# KiCad board corne-cherry.kicad_pcb (continued)
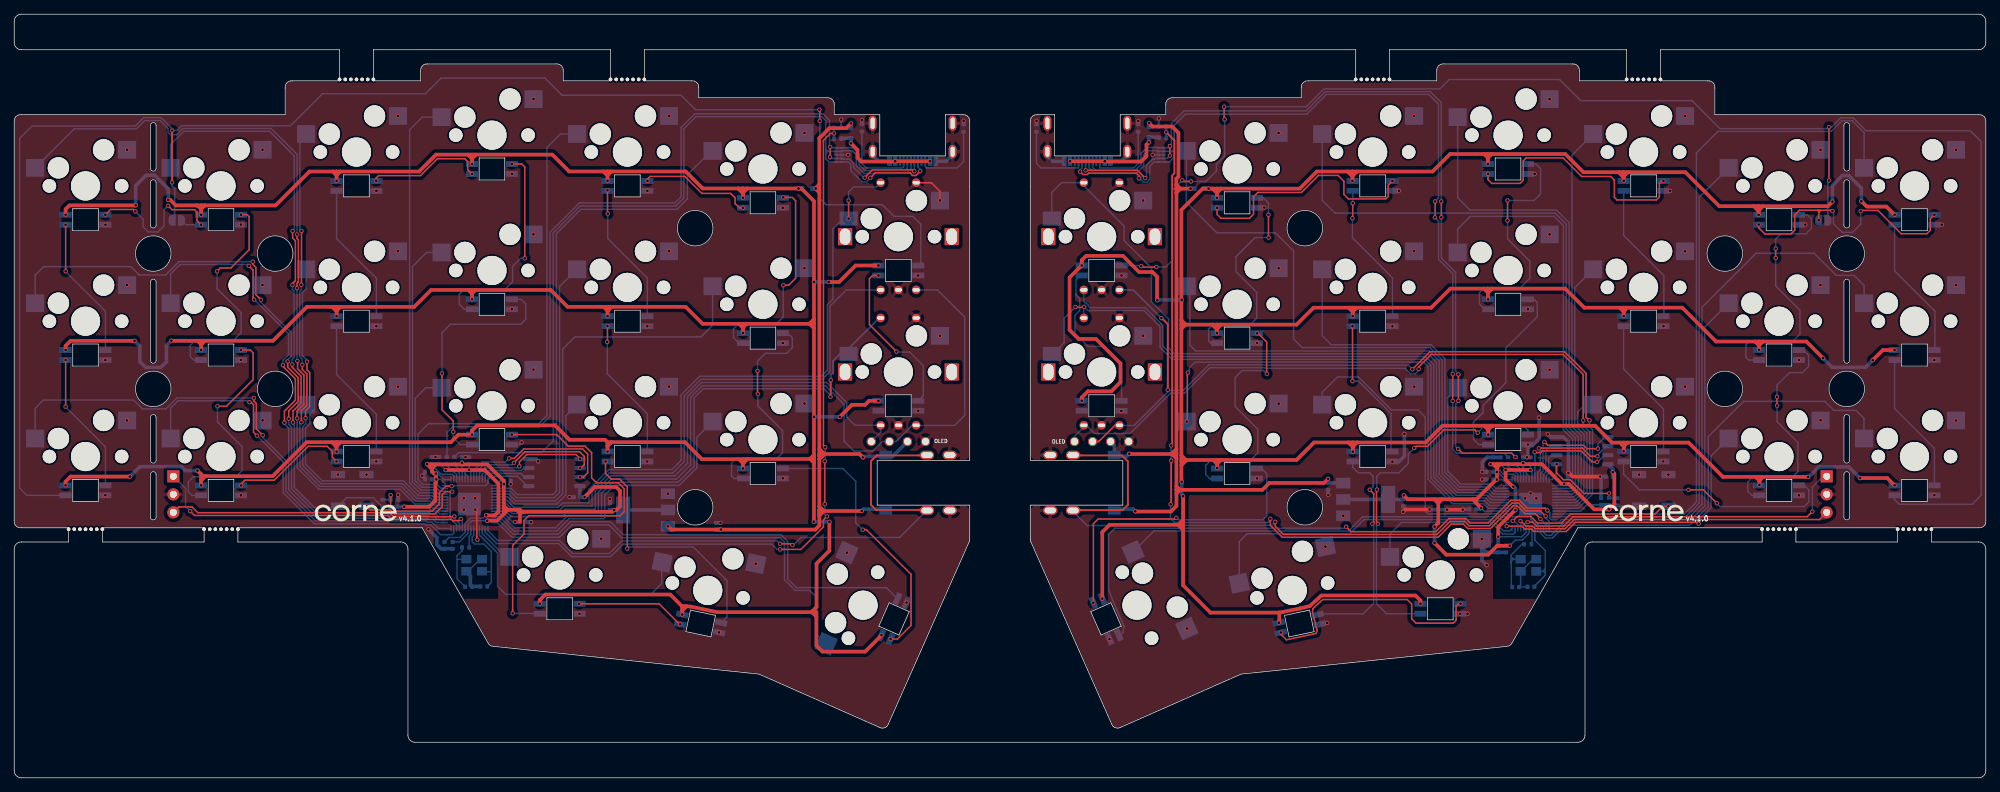
[diagram p0: board, top side]
## Routing (per net, layer and track width the routed paths; a pad name or vN(x,y) marks a point on that pad's centre or on a via; arc(x,y) is an arc through that point) (continued)
/right/D+: length 133.7
  Top w0.203: v1(203.07,53.07) 203.07,56.78 v1(203.07,56.78) ; v1(203.03,46.3) 203.62,45.71 210.54,45.71 v1(211.09,45.15) ; v1(200.65,81.14) 200.67,81.12 v1(200.67,78.89) ; v1(159.02,84.42) 157.93,85.51 150.65,85.51 v1(150.65,85.52) ; v1(162.51,87.6) 162.51,88.93 v1(162.51,88.93)
  Bottom w0.203: 160.84,88.73 159.28,88.73 158.43,87.88 158.43,86.31 157.58,85.46 152.1,85.46 151.65,85.91 rJ1.B6 ; v1(203.07,53.07) 203.07,53 202.69,52.62 202.69,46.63 v1(203.03,46.3) ; v1(200.67,78.89) 200.67,73.16 202.67,71.16 202.67,57.28 203.07,56.88 v1(203.07,56.78) ; v1(150.65,85.52) rJ1.A6 ; v1(162.51,87.6) 162.1,87.19 rU3.4 rU3.7 160.42,87.19 160.31,87.08 160.07,87.08 159.21,86.23 159.21,84.62 v1(159.02,84.42) ; rU3.10 rU3.1 162.26,88.69 v1(162.51,88.93) 162.7,89.13 162.7,92.09 164.5,93.88 181.65,93.88 184.35,96.58 199.12,96.58 200.66,95.05 200.66,81.15 v1(200.65,81.14)
/right/D-: length 138
  Top w0.203: v1(199.76,78.88) 199.8,78.92 v1(199.8,81.14) ; v1(158.15,84.38) 158.15,84.74 157.76,85.12 151.09,85.12 150.9,84.93 150.28,84.93 v1(149.87,85.33) ; v1(202.28,56.83) 202.27,56.82 v1(202.27,53.03)
  Bottom w0.203: 163.1,87.35 163.1,87.84 163.1,87.97 ; 163.1,87.35 162.43,86.69 rU3.5 rU3.6 160.3,86.69 159.67,86.06 159.67,84.24 159.26,83.83 158.77,83.83 158.43,84.18 158.43,84.66 v1(158.15,84.38) ; 163.1,87.35 163.1,88.11 163.02,88.19 162.85,88.19 ; 163.1,87.97 162.88,88.19 162.85,88.19 ; 163.1,87.97 163.1,88.46 ; v1(202.28,56.83) 202.28,70.98 200.28,72.98 200.28,78.37 v1(199.76,78.88) ; rR5.2 209.49,45.71 202.78,45.71 202.27,46.22 v1(202.27,53.03) ; 163.1,88.46 163.1,91.85 164.68,93.42 181.75,93.42 184.51,96.19 198.91,96.19 200.27,94.83 200.27,81.6 v1(199.8,81.14) ; 163.1,88.46 162.85,88.22 162.85,88.19 ; 162.85,88.19 rU3.2 rU3.9 160.78,88.29 159.39,88.29 158.82,87.72 158.82,86.14 157.74,85.07 151.94,85.07 151.15,85.85 rJ1.A7 ; v1(149.87,85.33) 149.87,85.58 150.15,85.86 rJ1.B7
/right/KEY1: length 54.7
  Bottom w0.203: rSW1.1 160.26,34.74 187.63,34.74 189.63,36.74 208.54,36.74 208.94,36.34 rU1.30
/right/KEY2: length 70.4
  Top w0.203: v1(165.04,57.04) 164.96,56.96 164.96,50.23 v1(164.87,50.14)
  Bottom w0.203: rU1.34 207.25,37.94 206.61,38.59 202.24,38.59 198.81,42.03 198.81,57.85 198.14,58.51 166.04,58.51 165.24,57.72 165.24,57.24 v1(165.04,57.04)
/right/KEY3: length 70.5
  Bottom w0.203: 165.32,68.74 165.32,60.89 166.12,60.08 198.97,60.08 200.38,58.68 200.38,42.7 202.92,40.16 207.26,40.16 207.88,39.54 rU1.38
/right/KEY4: length 85.9
  Bottom w0.203: 164.87,88.24 164.82,88.2 164.82,83.87 164.81,83.86 164.81,81.01 169.11,76.72 177.34,76.72 179.9,74.16 179.9,61.77 181.11,60.56 199.05,60.56 200.77,58.84 200.77,42.87 203.08,40.55 207.42,40.55 208.03,39.94 rU1.39
/right/KEY5: length 85.7
  Bottom w0.203: rU1.3 218.99,40.34 219.52,40.87 219.52,41.77 219.51,41.78 219.51,47.83 218.23,49.12 218.23,77.94 216.68,79.49 185.74,79.49 183.92,81.31 rSW5.1
/right/KEY6: length 53.6
  Bottom w0.203: rSW6.1 183.92,62.22 185.19,60.95 199.22,60.95 201.16,59.01 201.16,43.03 203.25,40.95 207.58,40.95 208.19,40.34 rU1.40
/right/KEY7: length 44.4
  Bottom w0.203: rU1.31 209.11,36.74 208.69,37.15 198.8,37.15 198.41,37.55 198.41,50.76 197.39,51.78 193.65,51.78 189,56.43 186.08,56.43 183.92,54.27 rSW7.1
/right/KEY8: length 46.3
  Bottom w0.203: rU1.28 210.28,34.76 209.4,34.76 207.81,36.35 189.79,36.35 187.79,34.35 173.36,34.35 172.25,33.25 rSW8.1
/right/KEY9: length 22.8
  Bottom w0.203: rU1.27 211.02,34.51 210.84,34.32 209.28,34.32 207.65,35.95 195.09,35.95 193.44,34.31 rSW9.1
/right/KEY10: length 21.5
  Bottom w0.203: rU1.41 208.35,40.74 207.75,41.34 203.41,41.34 201.56,43.19 201.56,53.5 rSW10.1
/right/KEY11: length 59.3
  Bottom w0.203: rU1.2 218.84,40.74 219.13,41.03 219.13,41.04 219.13,41.61 219.12,41.62 219.12,47.67 217.83,48.96 217.83,77.72 216.52,79.04 204.74,79.04 202.97,77.26 rSW11.1
/right/KEY12: length 70
  Bottom w0.203: rU1.4 219.15,39.94 219.92,40.72 219.92,42.97 219.91,42.98 219.91,47.99 218.64,49.26 218.64,78.14 216.86,79.92 204.7,79.92 202.97,81.65 rSW12.1
/right/KEY13: length 55.9
  Bottom w0.203: rU1.5 219.3,39.54 220.32,40.55 220.32,48.17 219.03,49.45 219.03,87.64 rSW13.1
/right/KEY14: length 37.4
  Bottom w0.203: rU1.6 219.46,39.14 220.71,40.39 220.71,43.3 220.75,43.33 220.75,48.31 219.43,49.63 219.43,68.99 rSW14.1
/right/KEY15: length 19.5
  Bottom w0.203: rSW15.1 220.86,52.53 219.86,51.52 219.86,49.8 221.14,48.52 221.14,40.26 219.62,38.74 rU1.7
/right/KEY16: length 42.2
  Top w0.203: v1(209.86,35.42) 212,35.42 212.4,35.03 213.34,35.03 213.7,34.67 218.24,34.67 219.53,35.96 236.66,35.96 v1(236.86,35.76)
  Bottom w0.203: v1(236.86,35.76) 236.86,36.27 238.6,38.01 238.6,45.3 rSW16.1 ; v1(209.86,35.42) 209.78,35.49 rU1.29
/right/KEY17: length 55
  Bottom w0.203: rU1.17 215.02,34.58 215.46,34.14 216.13,34.14 217.94,35.95 235.39,35.95 237.71,38.28 237.71,63.46 rSW17.1
/right/KEY18: length 70
  Bottom w0.203: rU1.12 216.66,36.74 234.99,36.74 236.93,38.67 236.93,81.73 rSW18.1
/right/KEY19: length 102.3
  Bottom w0.203: rU1.11 216.66,37.13 234.83,37.13 236.54,38.84 236.54,87.97 239.55,90.98 255.47,90.98 257,92.51 258.42,92.51 260.12,90.81 rSW19.1 259.08,84.83
/right/KEY20: length 79.8
  Bottom w0.203: rU1.14 217.18,35.94 217.58,36.35 235.16,36.35 237.32,38.51 237.32,66.24 244.93,73.84 253.07,73.84 256.19,70.73 258.7,70.73 260.12,69.31 rSW20.1
/right/KEY21: length 64
  Bottom w0.203: rU1.18 214.62,34.43 215.29,33.75 216.29,33.75 218.1,35.56 235.59,35.56 238.21,38.18 238.21,48.04 243.16,52.99 254.6,52.99 255.89,51.71 259,51.71 260.09,50.61 260.09,47.76
/right/KEYEX1: length 102.6
  Bottom w0.203: rU1.37 207.72,39.14 207.09,39.77 202.76,39.77 199.98,42.54 199.98,58.48 198.77,59.69 163.14,59.69 162.32,60.51 162.32,64.61 159.91,67.02 159.91,71.78 156.05,75.64 156.05,77.69 150.4,83.34 rEXSW1.S2 147.27,83.78 145.9,82.4 rEXSW1.S2
/right/KEYEX2: length 92.8
  Top w0.203: v1(149.22,66.27) 149.26,66.23 150.39,66.23 v1(150.45,66.29)
  Bottom w0.203: rEXSW2.S2 146.05,59.67 147.63,61.25 147.63,64.68 v1(149.22,66.27) ; rU1.35 207.41,38.34 206.77,38.98 202.41,38.98 199.2,42.19 199.2,58.01 198.31,58.91 162.81,58.91 161.11,60.6 161.11,63.52 158.86,65.77 150.97,65.77 v1(150.45,66.29) 150.4,66.25 rEXSW2.S2
/right/LED: length 82.4
  Top w0.203: v1(215.59,37.63) 215.26,37.96 212.77,37.96 211.67,39.07 210.44,39.07 207.25,35.88 204.72,35.88 204.11,36.49 201.73,36.49 199.89,34.65 187.97,34.65 v1(187.28,35.34)
  Bottom w0.203: v1(187.28,35.34) 187.08,35.14 154.77,35.14 153.89,34.26 153.89,26.45 154.56,24.76 155.3,23.02 156.06,21.33 155.88,20.46 155.51,20.09 rLED1.4 ; v1(215.59,37.63) 215.93,37.29 215.93,36.55 216.14,36.34 rU1.13
/right/QSPI_SCLK: length 15.3
  Top w0.203: v1(214.38,46.37) 214.42,46.41 220.5,46.41 221.65,45.26 v1(222.61,45.26)
  Bottom w0.203: v1(214.38,46.37) 214.58,46.18 214.58,43.32 214.23,42.97 214.23,41.98 rU1.52 ; v1(222.61,45.26) 222.61,45.43 223.87,46.68
/right/QSPI_SD0: length 15.4
  Top w0.203: v1(222.69,46.34) 221.13,46.34 220.66,46.81 215.64,46.81 v1(215.17,47.28)
  Bottom w0.203: v1(215.17,47.28) 214.97,47.07 214.97,43.16 214.62,42.81 rU1.53 ; v1(222.69,46.34) 222.69,47 223.64,47.95
/right/QSPI_SD1: length 4.5
  Bottom w0.203: rU1.55 215.42,42.5 215.76,42.83 215.76,44.99 216.17,45.41 rU4.2
/right/QSPI_SD2: length 6
  Bottom w0.203: rU4.3 215.97,46.68 215.36,46.07 215.36,43 215.02,42.65 rU1.54
/right/QSPI_SD3: length 14.8
  Top w0.203: v1(213.79,45.84) 213.85,45.78 214.62,45.78 214.86,46.02 220.33,46.02 221.88,44.47 v1(222.58,44.47)
  Bottom w0.203: 223.6,45.41 222.66,44.47 v1(222.58,44.47) ; rU1.51 213.82,45.81 v1(213.79,45.84)
/right/QSPI_SS: length 14.9
  Top w0.203: v1(216.89,44.14) 216.89,42.91 217.84,41.96 218.8,41.96 220.72,40.03 v1(224.26,40.03)
  Bottom w0.203: rU1.56 216.21,41.98 216.76,42.52 216.76,44.01 ; rR7.1 224.26,39.41 v1(224.26,40.03) 224.25,40.02 rR7.1 ; rR7.1 224.28,39.37 rR6.1
/right/RE0A: length 83.8
  Bottom w0.203: rU1.36 207.57,38.74 206.93,39.38 202.57,39.38 199.59,42.35 199.59,58.18 198.47,59.3 162.98,59.3 161.51,60.77 161.51,63.68 159.02,66.17 151.28,66.17 151.04,66.41 151.04,66.54 150.69,66.89 150.56,66.89 150.4,67.05 rEXSW1.A
/right/RE1A: length 102.4
  Top w0.203: v1(197.48,57.55) 197.48,57.83 199.23,59.59 217.82,59.59 220.62,56.8 v1(220.62,50.31)
  Bottom w0.203: rU1.8 219.77,38.34 221.53,40.1 221.53,48.71 220.62,49.63 v1(220.62,50.31) ; 150.73,49.63 151.89,48.47 156.91,48.47 162.59,54.15 164.56,54.15 168.14,57.73 175.84,57.73 175.91,57.65 195.54,57.65 196.34,56.85 197,56.85 197.48,57.33 v1(197.48,57.55) ; 149.09,47.6 149.09,48.07 150.4,49.38 rEXSW2.A
/right/REB: length 117.8
  Top w0.203: v1(196.6,57.51) 199.07,59.98 217.98,59.98 221.01,56.96 221.01,50.77 221.47,50.31 v1(221.5,50.31) ; 155.01,49.63 154.79,49.63 152.49,47.33 rJ3.2
  Top w0.25: v1(161.31,64.72) 161.35,64.72 162.21,63.86 162.21,54.6 v1(162.2,54.6)
  Bottom w0.203: rU1.9 219.94,37.94 221.93,39.92 221.93,49.02 221.5,49.45 v1(221.5,50.31) ; v1(196.6,57.51) 196.04,58.08 176.04,58.08 176,58.12 167.97,58.12 164.4,54.55 162.26,54.55 v1(162.2,54.6) 162.2,54.32 157.47,49.59 155.44,49.59 rEXSW2.B
  Bottom w0.25: rEXSW1.B 157.35,68.68 v1(161.31,64.72)
/right/SWCLK: length 49.1
  Top w0.203: v1(252.85,37.48) 252.13,36.76 230.9,36.76 230.89,36.75 219.2,36.75 217.91,35.46 214.02,35.46 213.47,36.01 v1(212.81,36.01)
  Bottom w0.203: 255.43,42.38 255.37,42.44 254.35,42.44 252.85,40.94 v1(252.85,37.48) ; v1(212.81,36.01) 212.61,36.01 212.22,35.62 rU1.24
/right/SWD: length 46.1
  Top w0.203: v1(211.79,36.16) 211.82,36.16 212.56,35.42 213.5,35.42 213.86,35.06 218.07,35.06 219.36,36.35 253.85,36.35 rJ4.3 255.37,37.36 255.43,37.3
  Bottom w0.203: v1(211.79,36.16) 211.82,36.13 rU1.25
/right/TX: length 95.8
  Top w0.203: v1(177.31,36.03) 177.31,35.42 178.47,34.25 200.05,34.25 201.89,36.1 203.94,36.1 204.56,35.48 207.41,35.48 210.6,38.67 211.5,38.67 212.61,37.57 214.6,37.57 v1(215.34,36.83)
  Top w0.25: 148.88,45.38 155.75,45.38 156.59,44.55 156.59,38.4 155.87,37.68 148.88,37.68
  Bottom w0.203: v1(177.31,36.03) 176.81,35.53 153.82,35.53 153.8,35.51 150.85,35.51 148.88,37.48 ; rU1.15 215.82,36.1 215.34,36.58 v1(215.34,36.83)
/right/USB_VBUS_PIN: length 115.7
  Top w0.203: v1(176.63,36.46) 176.63,35.54 178.31,33.86 200.21,33.86 202.05,35.7 203.78,35.7 204.4,35.09 207.57,35.09 210.76,38.28 211.34,38.28 212.45,37.17 213.88,37.17 v1(214.6,36.45)
  Top w0.25: v1(162.61,38.5) 162.68,38.58 v1(162.68,44.64) ; v1(162.68,46.79) 162.71,46.82 162.83,46.82 162.83,84.79 163.14,85.1 163.14,89.73 v1(161.99,90.88)
  Bottom w0.203: v1(176.63,36.46) 176.63,36.32 176.23,35.93 163.19,35.93 162.6,36.52 162.6,38.49 v1(162.61,38.5) ; v1(214.6,36.45) 214.6,36.44 215.42,35.62 rU1.16
  Bottom w0.25: rR9.1 161.99,91.65 rR8.2 ; v1(162.68,46.79) v1(162.68,44.64)
Net-(C2-Pad1): length 7.6
  Bottom w0.203: R3.1 62.97,31.96 62.28,31.27 62.28,30.78 ; C2.1 62.28,28.01 62.28,30.78 ; 62.28,30.78 62.29,30.77 Y1.3
Net-(D1-K): length 536.4
  Top w0.203: 7.22,41.17 v1(7.23,41.16) ; 112.8,18.62 112.8,23.04 112.82,23.06 ; 102.49,44.87 102.47,44.85 ; 83.42,45.92 v1(83.43,45.92) ; 64.38,87.72 64.39,87.72 ; 92.25,25.79 93.86,24.18 ; 45.32,45.92 v1(45.33,45.92) ; 26.29,60.21 26.28,60.21 v1(26.28,60.21) ; 121.96,20.07 v1(121.96,20.09) ; 112.46,36.04 v1(112.43,36.04)
  Top w0.508: 26.28,42.74 26.28,41.92 ; 26.28,42.74 26.55,42.46 26.88,42.46 ; 26.28,42.74 v1(25.77,43.25) ; 26.28,41.92 26.34,41.92 26.88,42.46 ; 26.28,41.92 v1(26.28,41.16) ; 84,47.24 83.42,47.24 ; 84,47.24 94.3,47.24 96.69,44.85 101.89,44.85 ; 84,47.24 83.42,46.66 83.42,46.62 ; 83.42,47.24 83.42,46.62 ; 83.42,47.24 83.07,47.58 78.07,47.58 76.04,49.61 65.1,49.61 64.38,48.89 v1(64.38,48.3) 62.47,48.3 61.4,47.23 45.89,47.23 ; 26.88,42.46 36.33,42.46 41.1,47.23 44.68,47.23 ; 7.22,41.17 7.22,41.69 7.93,42.4 v1(16.28,42.4) ; 45.33,66.29 44.71,66.29 ; 45.33,66.29 45.87,66.29 ; 45.33,66.29 45.33,65.77 ; 44.71,66.29 41.15,66.29 36.38,61.52 26.82,61.52 ; 44.71,66.29 45.23,65.77 45.33,65.77 ; 64.88,68.67 75.43,68.67 77.8,66.3 82.87,66.3 ; 64.88,68.67 64.38,68.17 ; 64.88,68.67 63.84,68.67 ; 83.43,85.35 82.84,85.35 ; 83.43,85.35 83.96,85.35 ; 83.43,85.35 83.43,84.87 ; 82.84,85.35 78.03,85.35 75.66,87.72 64.92,87.72 ; 82.84,85.35 83.32,84.87 83.43,84.87 ; 112.22,23.31 112.22,23.43 112.82,24.02 112.82,30.15 114.63,31.96 v1(114.63,36.03) ; 112.22,23.31 112.22,23.26 112.8,22.68 ; 112.22,23.31 98.84,23.31 95.11,24.1 94.53,24.14 ; 112.22,23.31 112.8,23.31 112.8,18.62 113.65,17.76 119.65,17.76 121.96,20.07 ; v1(121.53,72.12) 118.31,72.12 115.99,69.8 v1(114.52,69.8) ; 84.01,66.3 83.46,65.75 83.43,65.75 ; 84.01,66.3 94.4,66.3 96.79,63.91 101.91,63.91 ; 84.01,66.3 83.43,66.3 ; v1(64.38,67.35) 64.38,68.17 ; v1(73.9,24.49) 73.9,25.02 74.67,25.79 92.25,25.79 93.93,24.11 93.93,23.56 ; 101.78,82.96 102.36,82.38 102.48,82.38 ; 101.78,82.96 96.81,82.96 94.42,85.35 83.96,85.35 ; 101.78,82.96 102.48,82.96 ; 83.42,46.62 83.42,45.92 ; 26.29,61.52 25.76,61.52 ; 26.29,61.52 26.82,61.52 ; 26.29,61.52 26.29,60.99 ; 25.76,61.52 v1(22.1,61.52) ; 25.76,61.52 26.29,61 ; 102.48,82.38 102.5,82.38 103.08,82.96 ; 102.48,82.38 v1(102.48,81.64) ; 102.48,82.38 102.48,82.96 ; 64.38,68.17 64.35,68.17 63.84,68.67 ; 102.47,44.29 102.53,44.29 103.11,44.87 ; 102.47,44.29 102.45,44.29 101.89,44.85 ; 102.47,44.29 102.47,44.85 101.89,44.85 ; 102.47,44.29 102.47,43.53 ; 83.96,85.35 83.48,84.87 83.43,84.87 ; 63.78,87.72 64.92,87.72 ; 63.78,87.72 59.31,87.72 56.93,85.34 45.85,85.34 ; 63.78,87.72 64.31,87.19 64.38,87.19 ; 26.29,61 26.3,61 26.82,61.52 ; 26.29,61 26.29,60.99 ; 112.46,64.55 v1(112.46,69.8) 112.46,81.18 110.67,82.96 v1(110.29,82.96) 103.08,82.96 ; 112.46,64.55 111.88,63.98 ; 112.46,64.55 112.46,63.91 ; 25.59,80.57 22.72,80.57 21.96,81.34 v1(21.67,81.34) ; 25.59,80.57 26.29,80.57 ; 25.59,80.57 25.78,80.57 26.29,80.06 ; 82.87,66.3 83.43,65.75 ; 82.87,66.3 83.43,66.3 ; 83.43,66.3 83.43,65.73 ; 83.43,65.73 83.43,65.75 ; 83.43,65.73 v1(83.43,64.97) ; 112.46,63.28 111.88,63.86 111.88,63.98 ; 112.46,63.28 112.46,45.44 ; 112.46,63.28 112.46,63.91 ; 26.79,80.57 26.29,80.07 26.29,80.06 ; 26.79,80.57 36.74,80.57 41.51,85.34 44.8,85.34 ; 26.79,80.57 26.29,80.57 ; 101.91,63.91 102.48,63.91 ; 101.91,63.91 102.42,63.41 102.48,63.41 ; 102.48,63.41 102.98,63.91 ; 102.48,63.41 102.48,63.38 ; 102.98,63.91 102.48,63.91 ; 102.98,63.91 111.88,63.91 ; 102.48,63.91 102.48,63.38 ; v1(102.48,62.59) 102.48,63.38 ; 45.87,66.29 45.35,65.77 45.33,65.77 ; 45.87,66.29 56.24,66.29 58.62,68.67 63.84,68.67 ; 94.53,24.14 93.86,24.18 ; 94.53,24.14 93.95,23.56 93.93,23.56 ; 64.92,87.72 64.39,87.19 64.38,87.19 ; 64.38,87.19 v1(64.38,86.4) ; 64.38,87.19 64.38,87.72 ; 93.93,23.56 v1(93.93,22.98) ; v1(121.53,53.07) 120.2,53.07 119.64,52.5 117.79,52.5 v1(116.08,50.8) ; 26.29,60.21 26.29,60.99 ; 45.32,46.65 45.32,46.66 45.89,47.23 ; 45.32,46.65 45.32,45.92 ; 45.32,46.65 45.26,46.65 44.68,47.23 ; 45.32,46.65 45.32,47.23 ; v1(26.29,79.26) 26.29,80.06 ; 26.29,80.06 26.29,80.57 ; 112.46,45.44 111.96,44.95 111.96,44.87 ; 112.46,45.44 112.46,44.87 ; 103.08,82.96 102.48,82.96 ; 45.89,47.23 45.32,47.23 ; 45.32,47.23 44.68,47.23 ; 111.88,63.98 111.88,63.91 ; 83.43,84.87 v1(83.43,84.04) ; v1(45.33,84.02) 45.33,84.84 ; 45.33,84.84 45.3,84.84 44.8,85.34 ; 45.33,84.84 45.35,84.84 45.85,85.34 ; 45.33,84.84 45.33,85.34 ; v1(7.23,60.21) 7.23,60.81 7.92,61.51 v1(16.93,61.51) ; 111.88,63.91 112.46,63.91 ; 45.33,85.34 44.8,85.34 ; 45.33,85.34 45.85,85.34 ; v1(45.33,64.97) 45.33,65.77 ; 111.96,44.87 111.96,44.85 112.46,44.35 ; 111.96,44.87 112.46,44.87 ; 111.96,44.87 103.11,44.87 ; 103.11,44.87 102.49,44.87 ; 112.46,44.87 112.46,44.35 ; 112.46,44.35 112.46,36.04 ; v1(17.07,80.59) 17.05,80.57 7.76,80.57 7.23,80.04 v1(7.23,79.26)
  Bottom w0.203: 114.62,36.04 v1(114.63,36.03)
  Bottom w0.508: v1(21.67,81.34) 21.67,82.89 19.74,84.82 18.55,84.82 17.07,83.34 v1(17.07,80.59) ; v1(112.43,36.04) 114.62,36.04 ; v1(22.1,61.52) 21.41,60.83 21.41,58.56 20.62,57.77 18.49,57.77 17.66,58.6 17.66,60.78 v1(16.93,61.51) ; D1.1 110.79,82.96 v1(110.29,82.96) ; v1(16.28,42.4) 17.68,43.81 23.49,43.81 24.05,43.25 v1(25.77,43.25) ; v1(112.46,50.81) 116.07,50.81 v1(116.08,50.8) ; v1(114.52,69.8) v1(112.46,69.8)
  vias: v1(102.48,43.54)
Net-(EXLED1-DIN): length 222.7
  Top w0.203: v1(113.27,92.46) 113.27,94.01 v1(113.22,94.06)
  Top w0.25: v1(22.21,91.13) 22.2,91.11 v1(22.2,83.81)
  Bottom w0.203: EXLED1.4 127.48,72.47 127.48,77.92 126.36,79.03 123.71,79.03 122.07,80.67 114.18,80.67 113.28,81.58 113.28,92.45 v1(113.27,92.46) ; v1(113.22,94.06) 95.8,94.06 93.77,96.09 77.02,96.09 74.61,98.5 60.03,98.5 57.83,96.3 43.36,96.3 38.83,91.78 36.31,91.78 36.28,91.8 23.53,91.8 22.86,91.13 v1(22.21,91.13) 22.21,91.38 20.66,92.94 18.21,92.94 17.02,91.75 2.49,91.75 0.77,90.03 0.77,40.78 1.78,39.76 LED21.2
  Bottom w0.25: 22.19,78.46 22.56,78.84 22.56,82.94 22.2,83.31 v1(22.2,83.81)
Net-(EXLED1-DOUT): length 23.1
  Top w0.203: v1(124.05,60) 120.25,63.8 120.25,70.27 120.7,70.71 v1(121.53,70.71)
  Bottom w0.203: v1(124.05,60) 124.13,59.92 125.91,59.92 127.83,58 127.83,53.77 EXLED2.4
Net-(J1-CC1): length 11.5
  Bottom w0.203: J1.A5 125.08,86.02 124.91,85.85 119.8,85.85 119.2,86.46 R1.2
Net-(J1-CC2): length 10.8
  Bottom w0.203: J1.B5 128.08,86.11 128.33,85.85 132.6,85.85 133.49,86.74 R2.2
Net-(JP1-A): length 23.4
  Top w0.203: v1(12.82,79.26) 13.55,80 16.76,80 v1(17.03,79.74) ; v1(21.65,80.53) 22.2,79.98 25.36,79.98 25.69,79.64 25.69,78.44 v1(26.28,77.86)
  Bottom w0.203: v1(21.65,80.53) 21.07,79.95 21.07,77.7 20.22,76.85 18.84,76.85 18.12,77.57 18.12,78.65 v1(17.03,79.74) ; v1(26.28,77.86) 24.11,77.86 JP1.1
Net-(LED1-DOUT): length 38.5
  Top w0.203: v1(119.31,34.92) 119.83,34.92 126.1,28.65 126.1,21.45 124.18,19.53 v1(123.22,19.53)
  Bottom w0.203: v1(119.31,34.92) 118.33,35.91 118.33,41.73 116.51,43.54 LED2.4
Net-(LED2-DOUT): length 34.4
  Top w0.203: v1(104.52,57.26) 104.52,54.04 v1(104.57,54.04)
  Bottom w0.203: v1(104.57,54.04) 104.57,52.34 108.04,48.87 108.04,45.76 107.16,44.88 101.4,44.88 100.87,44.35 100.87,42.45 101.18,42.14 LED2.2 ; v1(104.52,57.26) 104.52,58.65 105.62,59.75 108.62,59.75 109.4,60.53 109.4,61.96 108.77,62.59 LED3.4
Net-(LED3-DOUT): length 30.1
  Top w0.203: v1(108.13,81.7) 109.4,81.7 109.87,81.23 109.87,70.31 108.9,69.34 v1(108.16,69.34)
  Bottom w0.203: v1(108.13,81.7) 108.08,81.65 LED4.4 ; LED3.2 101.9,61.19 101.13,61.96 101.13,63.19 101.83,63.89 107.14,63.89 108.13,64.88 108.13,69.31 v1(108.16,69.34)
Net-(LED4-DOUT): length 16.2
  Top w0.203: v1(102.48,80.24) 101.95,80.24 101.37,80.82 101.37,81.62 100.73,82.27 96.69,82.27 94.3,84.66 89.4,84.66 89.05,84.3 v1(89.05,84.01)
Net-(LED5-DOUT): length 20.1
  Top w0.203: v1(83.43,82.7) 83.43,79.41 v1(83.46,79.41)
  Bottom w0.203: v1(83.46,79.41) 83.46,75.91 89.03,70.34 LED6.4
Net-(LED6-DOUT): length 20
  Top w0.203: v1(83.42,63.58) 83.42,61.37 v1(83.39,61.34)
  Bottom w0.203: v1(83.39,61.34) 83.39,56.88 89.03,51.24 LED7.4
Net-(LED7-DOUT): length 36.5
  Top w0.203: v1(83.15,44.52) 83.15,42.84 83.93,42.05 85.11,42.05 86.21,40.96 v1(86.21,32.28)
  Bottom w0.203: v1(86.21,32.28) 86.43,32.5 95.47,32.5 100.22,27.75 100.22,22.63 LED8.4
Net-(LED8-DOUT): length 15.4
  Top w0.203: v1(79.42,24.49) 90.68,24.49 93.56,21.61 v1(93.64,21.61)
Net-(LED10-DIN): length 56.4
  Top w0.203: v1(69.97,48.31) 76.27,48.31 77.9,46.68 80.27,46.68 81.19,45.77 81.19,42.22 81.89,41.51 84.95,41.51 85.76,40.7 85.76,37.47 85.18,36.88 72.35,36.88 71.68,36.21 71.68,34.31 70.09,32.72 v1(70.09,23.14)
  Bottom w0.203: v1(70.09,23.14) 73.9,23.14
Net-(LED10-DOUT): length 35.4
  Top w0.203: v1(60.15,56.92) 60.15,51.8 61.74,50.21 v1(61.74,48.7)
  Bottom w0.203: v1(60.15,56.92) 60.15,62.65 61.35,63.85 71.24,63.85 71.93,64.54 71.93,66.69 71.27,67.35 69.98,67.35 ; v1(61.74,48.7) 61.74,47.89 62.72,46.9 LED10.2
Net-(LED11-DOUT): length 30.9
  Top w0.203: v1(71.79,73.13) 71.79,85.99 71.38,86.4 v1(69.98,86.4)
  Bottom w0.203: v1(71.79,73.13) 71.21,73.13 70.07,71.99 70.07,69.82 68.94,68.69 63.2,68.69 62.59,68.08 62.59,66.63 63.27,65.95 LED11.2
Net-(LED12-DOUT): length 16.5
  Top w0.203: v1(50.91,84.04) 50.91,84.44 51.24,84.77 57.13,84.77 59.51,87.15 63.35,87.15 63.76,86.74 63.76,85.62 v1(64.38,85)
Net-(LED13-DOUT): length 20
  Bottom w0.203: LED13.2 45.33,75.91 50.93,70.31 LED14.4
Net-(LED14-DOUT): length 20
  Bottom w0.203: LED14.2 45.33,56.78 50.93,51.18 LED15.4
Net-(LED15-DOUT): length 17.2
  Top w0.203: v1(31.91,41.15) 31.91,41.38 32.42,41.89 36.56,41.89 41.33,46.66 44.01,46.66 44.73,45.94 44.73,45.12 v1(45.33,44.52)
Net-(LED16-DOUT): length 34.3
  Top w0.203: v1(28.58,52.3) 29.85,52.3 33.6,56.05 33.6,59.82 33.2,60.21 v1(31.88,60.21)
  Bottom w0.203: LED16.2 24.96,39.76 24.48,40.24 24.48,41.66 25.2,42.38 31.17,42.38 32.03,43.24 32.03,46.63 28.58,50.08 v1(28.58,52.3)
Net-(LED17-DOUT): length 32.9
  Top w0.203: v1(28.52,71.3) 28.98,71.76 30.47,71.76 33.03,74.32 33.03,79 32.77,79.26 v1(31.88,79.26)
  Bottom w0.203: v1(28.52,71.3) 28.52,68.85 31.9,65.47 31.9,62.66 30.72,61.48 25.37,61.48 24.76,60.87 24.76,59.28 25.23,58.81 LED17.2
Net-(LED19-DOUT): length 20
  Top w0.203: v1(7.23,71.3) 7.23,77.86 v1(7.23,77.86)
  Bottom w0.203: v1(7.23,71.3) 7.23,71.3 7.23,71.27 12.83,65.67 LED20.4
Net-(LED20-DOUT): length 20
  Top w0.203: v1(7.23,58.81) 7.23,58.81 v1(7.23,52.24)
  Bottom w0.203: LED21.4 12.83,46.6 7.23,52.2 7.23,52.24 v1(7.23,52.24)
Net-(R6-Pad2): length 7.3
  Bottom w0.203: SMDSW1.2 46.72,39.42 50.49,39.42 R6.2
Net-(rC2-Pad1): length 9.5
  Bottom w0.203: 210.81,30.77 210.81,30.78 ; 210.81,30.77 210.5,30.77 210.5,30.25 ; 210.81,30.77 211.81,30.77 ; 210.81,30.78 210.5,31.09 ; 210.81,30.78 210.79,30.78 210.5,30.48 ; rR3.1 212,32.87 210.5,31.36 210.5,31.09 ; 210.5,30.25 210.51,30.24 210.51,26.98 ; 210.5,30.25 210.5,30.48 ; 210.5,31.09 210.5,30.48
Net-(rD1-K): length 537.7
  Top w0.508: v1(169.12,81.62) 169.12,82.34 ; 169.12,82.34 169.12,82.94 ; 169.12,82.34 169.1,82.34 ; 188.8,85.34 188.2,84.74 188.18,84.74 ; 188.8,85.34 188.2,85.34 ; 188.8,85.34 199.44,85.34 201.9,87.8 206.68,87.8 ; 207.2,68.86 207.84,68.86 ; 207.2,68.86 207.24,68.82 207.24,68.24 ; 207.2,68.86 206.66,68.86 ; 207.84,68.86 218.08,68.86 220.77,66.18 225.76,66.18 ; 207.84,68.86 207.81,68.86 207.24,68.29 ; 169.15,44.75 169.68,44.75 ; 169.15,44.75 169.16,44.74 169.16,44.19 ; 169.15,44.75 168.58,44.75 ; 169.68,44.75 169.13,44.2 169.13,44.19 ; 169.68,44.75 180.31,44.75 182.77,47.2 187.61,47.2 ; 225.78,47.18 224.67,47.18 222.29,49.56 207.83,49.56 ; 225.78,47.18 226.34,47.18 ; 225.78,47.18 226.33,46.63 ; 164.36,36.29 v1(164.36,39.64) ; 164.36,36.29 164.36,35.63 ; 164.36,36.29 163.69,35.62 ; v1(226.31,64.97) 226.31,65.62 ; 226.31,65.62 226.31,65.64 226.84,66.18 ; 226.31,65.62 226.31,65.63 225.76,66.18 ; 226.31,65.62 226.31,66.18 ; 207.83,49.56 207.24,49.56 ; 207.83,49.56 207.33,49.06 207.27,49.06 ; 225.76,66.18 226.31,66.18 ; 226.31,66.18 226.84,66.18 ; 244.79,61.42 245.35,61.42 ; 244.79,61.42 245.31,60.89 245.35,60.89 ; 244.79,61.42 239.3,61.42 234.54,66.18 226.84,66.18 ; 245.35,61.42 245.35,60.89 ; 245.35,61.42 245.89,61.42 ; 207.24,68.24 207.24,68.29 ; 207.24,68.24 v1(207.24,67.34) ; 207.24,68.29 206.66,68.86 ; 168.5,82.94 v1(167.96,82.94) 167.12,82.94 164.12,79.95 164.12,64.4 ; 168.5,82.94 169.12,82.94 ; 168.5,82.94 169.1,82.34 ; v1(169.16,43.59) 169.16,44.19 ; 169.16,44.19 169.13,44.19 ; 245.35,60.89 245.37,60.89 245.89,61.42 ; 245.35,60.89 v1(245.35,60.22) ; 187.49,85.34 188.09,84.74 188.18,84.74 ; 187.49,85.34 188.2,85.34 ; 187.49,85.34 183.17,85.34 180.77,82.94 169.7,82.94 ; 245.35,41.85 244.84,42.37 ; 245.35,41.85 245.4,41.85 245.91,42.37 ; 245.35,41.85 245.4,41.85 ; 244.84,42.37 245.41,42.37 ; 244.84,42.37 240.26,42.37 235.44,47.18 226.83,47.18 ; 164.67,63.8 164.67,63.86 164.12,64.4 ; 164.67,63.8 164.67,63.76 164.12,63.21 ; 164.67,63.8 168.46,63.8 ; 164.67,63.8 164.16,63.8 164.12,63.75 ; 225.6,85.24 226.15,84.69 226.32,84.69 ; 225.6,85.24 220.66,85.24 218.1,87.8 207.77,87.8 ; 225.6,85.24 226.3,85.24 ; 206.66,68.86 201.94,68.86 199.25,66.18 188.77,66.18 ; v1(264.4,41.16) 263.37,42.19 v1(259.53,42.19) ; 245.88,80.47 255.02,80.47 v1(255.67,81.11) ; 245.88,80.47 245.32,79.9 245.29,79.9 ; 245.88,80.47 245.29,80.47 ; 245.41,42.37 245.4,42.36 245.4,41.85 ; 245.41,42.37 245.91,42.37 ; 164.74,44.75 164.74,44.76 164.12,45.37 ; 164.74,44.75 164.74,44.62 164.12,44 ; 164.74,44.75 164.23,44.75 164.12,44.63 ; 164.74,44.75 168.58,44.75 ; 164.36,34.91 163.69,35.58 163.69,35.62 ; 164.36,34.91 164.36,35.63 ; 164.36,34.91 164.36,27.09 168.2,23.25 177.81,23.25 ; v1(188.18,84.03) 188.18,84.74 ; 188.18,84.74 188.18,85.32 188.2,85.34 ; 169.12,82.94 169.7,82.94 ; 164.12,44 164.12,41.7 v1(164.17,41.65) ; 164.12,44 164.12,44.63 ; 164.12,64.4 164.12,63.75 ; v1(264.4,79.26) 263.25,80.41 260.49,80.41 v1(259.74,81.17) ; v1(245.4,41.22) 245.4,41.85 ; 163.63,35.62 164.35,35.62 164.36,35.63 ; 163.63,35.62 163.69,35.62 ; 163.63,35.62 154.03,35.62 153,34.59 v1(153,25.22) ; 188.23,46.62 188.23,46.63 188.8,47.2 ; 188.23,46.62 188.19,46.62 187.61,47.2 ; 188.23,46.62 188.23,47.17 188.2,47.2 ; 188.23,46.62 v1(188.23,45.91) ; 164.12,63.21 164.12,63.75 ; 164.12,63.21 164.12,45.37 ; 169.7,82.94 169.1,82.34 ; v1(169.12,62.58) 169.12,63.18 ; 169.12,63.18 169.07,63.18 ; 169.12,63.18 169.12,63.78 169.14,63.8 ; 188.77,66.18 188.16,66.18 ; 188.77,66.18 188.77,66.17 188.21,65.6 ; 169.7,63.8 169.09,63.18 169.07,63.18 ; 169.7,63.8 180.32,63.8 182.7,66.18 187.63,66.18 ; 169.7,63.8 169.14,63.8 ; 226.3,85.24 226.32,85.22 226.32,84.69 ; 226.3,85.24 226.88,85.24 ; 164.12,44.63 164.12,45.37 ; 169.13,44.19 168.58,44.75 ; v1(226.3,45.97) 226.34,46.01 226.34,46.63 ; 169.07,63.18 168.46,63.8 ; 187.63,66.18 188.16,66.18 ; 187.63,66.18 188.21,65.6 ; 245.89,61.42 252,61.42 v1(254.35,59.07) ; 177.81,23.25 178.52,23.37 180.77,23.82 180.87,23.85 182.18,24.17 183.8,25.65 197.04,25.65 197.73,24.97 v1(197.73,24.49) ; 177.81,23.25 177.89,23.18 177.89,21.9 v1(177.81,21.82) ; 226.32,84.69 226.33,84.69 226.88,85.24 ; 226.32,84.69 v1(226.32,84.03) ; 187.61,47.2 188.2,47.2 ; 207.27,49.06 207.27,49.53 207.24,49.56 ; 207.27,49.06 207.2,49.06 206.7,49.56 ; 207.27,49.06 v1(207.27,48.3) ; v1(150.1,53.07) 150.1,53.52 150.98,54.39 154.25,54.39 155.56,55.7 155.56,58.32 152.1,61.78 149.66,61.78 148.4,63.04 148.4,70.43 150.08,72.12 v1(150.1,72.12) 150.1,72.85 150.72,73.47 155.89,73.47 158.16,71.2 160.04,71.2 160.7,70.55 160.7,67.27 v1(160.74,67.23) ; v1(252.24,42.36) 252.23,42.37 245.91,42.37 ; 207.24,49.56 206.7,49.56 ; 226.83,47.18 226.33,46.68 226.33,46.63 ; 226.83,47.18 226.34,47.18 ; 188.16,66.18 188.21,66.13 188.21,65.57 ; 226.88,85.24 234.98,85.24 239.76,80.47 244.6,80.47 ; 169.14,63.8 168.46,63.8 ; 188.2,47.2 188.8,47.2 ; 207.22,87.27 206.68,87.8 ; 207.22,87.27 207.75,87.8 207.77,87.8 ; 207.22,87.27 207.22,87.18 ; 206.68,87.8 207.2,87.8 ; 244.6,80.47 245.16,79.9 245.29,79.9 ; 244.6,80.47 245.29,80.47 ; 207.77,87.8 207.2,87.8 ; 245.29,79.9 245.29,80.47 ; 245.29,79.9 v1(245.29,79.24) ; 188.21,65.6 188.21,65.57 ; 226.34,46.63 226.33,46.63 ; 226.34,46.63 226.34,47.18 ; 188.8,47.2 198.47,47.2 200.83,49.56 206.7,49.56 ; 207.2,87.8 207.22,87.78 207.22,87.18 ; v1(264.4,60.21) 262.75,60.21 v1(261.32,58.78) ; 207.22,87.18 v1(207.22,86.39) ; v1(188.21,64.98) 188.21,65.57
  Bottom w0.508: v1(259.53,42.19) 257.97,43.76 253.76,43.76 252.36,42.36 v1(252.24,42.36) ; v1(164.36,39.64) 164.17,39.84 v1(164.17,41.65) ; v1(254.35,59.07) 255.64,57.78 260.32,57.78 v1(261.32,58.78) ; v1(167.96,82.94) 167.38,82.94 rD1.1 ; v1(259.74,81.17) 259.74,83.01 257.96,84.79 257.09,84.79 255.67,83.37 v1(255.67,81.11) ; v1(160.74,67.23) 160.79,67.28 v1(164.17,67.28)
Net-(rEXLED1-DIN): length 224
  Top w0.203: v1(158.49,72.02) 158.62,71.89 160.59,71.89 v1(160.61,71.92) ; v1(170.2,92.68) 170.12,92.76 v1(170.12,94.47) ; v1(165.45,83.94) 164.4,83.94 v1(164.23,84.11) ; v1(255.19,91.61) v1(255.19,84.09)
  Bottom w0.203: rEXLED1.4 158.39,72.12 v1(158.49,72.02) ; v1(170.12,94.47) 181.66,94.47 184.16,96.98 200.46,96.98 201.78,98.29 217.3,98.29 220.27,95.32 235.92,95.32 239.86,91.38 254.95,91.38 v1(255.19,91.61) 255.54,91.61 256.83,92.9 258.58,92.9 260.4,91.08 275.07,91.08 276.57,89.58 276.57,39.77 275.3,38.5 265.03,38.5 264.4,39.13 rLED21.2 ; v1(170.2,92.68) 170.2,87.52 169.04,86.36 169.04,85.41 167.57,83.94 v1(165.45,83.94) ; v1(164.23,84.11) 162.89,82.77 162.89,72.89 161.91,71.92 v1(160.61,71.92) ; rJP1.2 255.02,83.92 v1(255.19,84.09)
Net-(rEXLED1-DOUT): length 22.4
  Bottom w0.203: rEXLED1.2 149.9,70.72 149.3,70.11 149.3,67.96 149.81,67.45 149.81,65.76 149.17,65.11 149.17,62.56 151.01,60.71 152.96,60.71 155.7,57.97 rEXLED2.4
Net-(rJ1-CC1): length 11.5
  Bottom w0.203: rJ1.A5 149.65,85.91 149.59,85.85 144.38,85.85 143.74,86.5 rR1.2
Net-(rJ1-CC2): length 11.1
  Bottom w0.203: rR2.2 158.04,86.47 157.42,85.85 152.64,85.85 152.65,85.86 rJ1.B5
Net-(rJP1-A): length 38.4
  Top w0.203: 253.75,79.89 253.75,79.58 ; 253.75,79.89 254.01,79.89 ; 253.75,79.89 253.57,79.89 ; 253.75,79.58 v1(253.75,78.49) ; 253.75,79.58 253.75,79.71 253.57,79.89 ; 253.75,79.58 253.75,79.63 254.01,79.89 ; 254.01,79.89 255.4,79.89 255.5,79.79 v1(255.67,79.79) ; v1(259.65,79.78) 259.74,79.87 262.06,79.87 265.34,76.59 268.95,76.59 269.43,77.07 269.43,78.69 v1(270,79.26) ; 253.57,79.89 251.04,79.89 250.37,79.22 250.37,77.1 249.82,76.55 246.18,76.55 245.3,77.42 v1(245.3,77.88)
  Bottom w0.203: v1(259.65,79.78) 259.65,77.92 258.52,76.79 257.03,76.79 255.81,78 255.81,79.64 v1(255.67,79.79) ; rLED18.2 245.32,77.86 v1(245.3,77.88)
Net-(rLED1-DOUT): length 43.3
  Top w0.203: v1(151.74,24.65) 151.74,35.78 152.4,36.43 163.26,36.43 v1(163.42,36.59)
  Bottom w0.203: v1(163.42,36.59) 163.68,36.32 175.56,36.32 176.13,36.89 176.13,42.8 175.41,43.52 175.21,43.52
Net-(rLED2-DOUT): length 34.5
  Top w0.203: v1(174.75,62.56) 174.91,62.56 176.11,61.36 176.11,56.9 v1(176.14,56.87)
  Bottom w0.203: v1(176.14,56.87) 175.67,57.33 172.64,57.33 171.67,56.36 171.67,52.26 174.85,49.08 174.85,45.74 173.89,44.78 168.34,44.78 167.53,43.97 167.53,42.7 168.18,42.05 169.06,42.05
Net-(rLED3-DOUT): length 32.4
  Top w0.203: v1(176.39,76.05) 176.36,76.07 v1(176.36,79.27)
  Bottom w0.203: v1(176.36,79.27) 176.36,80.92 175.64,81.64 rLED4.4 ; v1(176.39,76.05) 174.49,76.05 171.79,73.35 171.79,71.25 174.71,68.33 174.71,64.7 173.83,63.82 168.58,63.82 167.95,63.19 167.95,61.46 168.22,61.19 168.71,61.19
Net-(rLED4-DOUT): length 34.2
  Top w0.203: v1(193.8,84.02) 193.18,83.4 193.18,81.81 192.86,81.49 187.61,81.49 186.97,82.13 186.97,83.97 186.15,84.8 183.4,84.8 181,82.4 174.85,82.4 174.26,81.8 174.26,79.32 173.69,78.75 169.69,78.75 169.14,79.3 v1(169.14,80.24)
  Bottom w0.203: v1(169.14,80.24) 169.14,80.24 rLED4.2
Net-(rLED5-DOUT): length 20
  Top w0.203: v1(188.21,80.88) 188.21,78.8 v1(188.17,78.76)
  Bottom w0.203: v1(188.17,78.76) 188.17,76.01 193.8,70.38 rLED6.4 ; rLED5.2 188.2,80.89 v1(188.21,80.88)
Net-(rLED6-DOUT): length 20.5
  Top w0.203: v1(188.18,55.84) v1(188.18,63.57)
  Bottom w0.203: rLED7.4 193.6,46.13 193.6,51.28 189.04,55.84 v1(188.18,55.84)
Net-(rLED7-DOUT): length 31.3
  Top w0.203: v1(190.6,40.55) 190.62,40.55 191.16,40.01 191.16,35.83 191.09,35.76 v1(190.97,35.76)
  Bottom w0.203: rLED7.2 188.2,43.72 188.99,42.93 190.58,42.93 191.08,42.43 191.08,41 190.64,40.55 v1(190.6,40.55) ; v1(190.97,35.76) 191.16,35.57 191.16,24.58 189.65,23.07 183.38,23.07 rLED8.4
Net-(rLED8-DOUT): length 35.5
  Top w0.203: v1(203.37,24.51) 203.1,24.51 202.74,24.15 202.74,23.34 202.73,23.34 202.73,22.85 202.74,22.84 202.74,22.16 202.34,21.76 197.11,21.76 196.5,22.37 196.5,24.46 195.87,25.09 183.99,25.09 182.88,24.08 182.58,23.74 182.56,23.32 182.8,22.28 183.21,20.74 183.06,20.32 178.89,19.42 178.1,20.21 v1(178.1,20.45)
  Bottom w0.203: rLED9.4 203.35,24.49 v1(203.37,24.51)
Net-(rLED10-DIN): length 50.7
  Top w0.203: v1(205.78,48.58) 205.39,48.97 201.01,48.97 198.7,46.66 197.1,46.66 v1(196.86,46.42) ; v1(191.76,35.76) 191.55,35.96 191.55,40.5 v1(191.63,40.57)
  Bottom w0.203: v1(205.78,48.58) 206.83,49.63 212.14,49.63 212.85,48.92 rLED10.4 ; v1(191.63,40.57) 191.59,40.61 191.59,42.44 192.08,42.93 194.7,42.93 196.03,44.26 196.03,45.59 v1(196.86,46.42) ; v1(191.76,35.76) 191.55,35.55 191.55,24.51 192.97,23.09 197.28,23.09
Net-(rLED10-DOUT): length 26.8
  Bottom w0.203: 212.85,67.35 213.71,67.35 214.16,66.9 214.16,64.92 209.72,60.48 209.72,55.6 206.54,52.42 206.54,51.41 205.19,50.06 205.19,47.66 205.95,46.9 rLED10.2
Net-(rLED11-DOUT): length 33.9
  Top w0.203: v1(209.97,78.44) 209.97,78.85 209.98,78.86 v1(209.98,81.27)
  Bottom w0.203: v1(209.97,78.44) 209.97,75.87 213.11,72.73 213.11,70.31 211.65,68.85 206.6,68.85 206.02,68.27 206.02,66.74 206.8,65.95 rLED11.2 ; v1(209.98,81.27) 213.72,81.27 214.62,82.17 214.62,85.75 213.97,86.4 rLED12.4
Net-(rLED12-DOUT): length 34.9
  Top w0.203: v1(207.23,85.02) 207.23,84.2 207.76,83.67 211.74,83.67 212.19,84.12 212.19,86.85 212.59,87.26 217.79,87.26 220.4,84.64 224.49,84.64 225,84.13 225,81.72 225.38,81.34 230.9,81.34 231.33,81.77 231.33,83.65 231.7,84.02 v1(231.9,84.02)
  Bottom w0.203: v1(207.23,85.02) rLED12.2 207.25,85
Net-(rLED13-DOUT): length 19.9
  Bottom w0.203: rLED13.2 226.3,76.35 231.96,70.69 231.96,65.03
Net-(rLED14-DOUT): length 20
  Bottom w0.203: rLED15.4 231.9,51.93 226.3,57.53 rLED14.2
Net-(rLED15-DOUT): length 33.3
  Top w0.203: v1(239.41,38.64) 237.52,40.53 v1(235.42,40.53)
  Bottom w0.203: v1(235.42,40.53) 228.51,40.53 226.3,42.75 rLED15.2 ; rLED16.4 251.72,41.16 252.34,40.54 252.34,38.82 251.7,38.18 239.87,38.18 v1(239.41,38.64)
Net-(rLED16-DOUT): length 33
  Top w0.203: v1(247.86,53.63) 247.86,52.41 v1(247.88,52.39)
  Bottom w0.203: v1(247.88,52.39) 247.88,50.12 250.81,47.19 250.81,43.11 250.04,42.34 244.45,42.34 243.76,41.65 243.76,40.31 244.31,39.76 rLED16.2 ; v1(247.86,53.63) 247.86,55.26 249.63,57.03 251.43,57.03 252.31,57.91 252.31,59.51 251.6,60.21 rLED17.4
Net-(rLED17-DOUT): length 35.8
  Top w0.203: v1(247.68,73.16) v1(247.68,74.48)
  Bottom w0.203: v1(247.68,73.16) 247.68,69.24 251.1,65.82 251.1,62.47 250.11,61.48 244.04,61.48 243.5,60.94 243.5,59.19 243.88,58.81 rLED17.2 ; v1(247.68,74.48) 247.68,75.82 248.43,76.57 251.94,76.57 252.71,77.34 252.71,78.68 252.13,79.26 rLED18.4
Net-(rLED19-DOUT): length 19.9
  Bottom w0.203: 270.07,60.28 270.07,65.69 264.4,71.36 rLED19.2
Net-(rLED20-DOUT): length 20
  Bottom w0.203: rLED21.4 270,46.37 264.4,51.97 rLED20.2
Net-(rR6-Pad2): length 3.1
  Bottom w0.203: rSMDSW1.2 225.53,38.23 rR6.2
Net-(rU1-RUN): length 25
  Top w0.203: v1(210.71,36.15) 211.34,36.78 213.26,36.78 214.19,35.85 217.56,35.85 218.85,37.14 230.73,37.14 231.82,38.23 v1(232.61,38.23)
  Bottom w0.203: v1(210.71,36.15) 210.92,36.15 211.42,35.65 rU1.26
Net-(rU1-USB_DM): length 3.2
  Bottom w0.203: 211.82,42 211.82,42.86 211.15,43.54 210.35,43.54 210.03,43.85 210.03,44.03
Net-(rU1-USB_DP): length 2.6
  Bottom w0.203: 211.31,43.94 212.23,43.01 212.23,42.51 212.23,42.51 212.23,42.01 212.22,42 ; 211.11,44.13 211.3,43.94
Net-(rU1-XIN): length 11.7
  Bottom w0.203: 213.76,26.99 215.28,28.51 215.28,28.8 ; 214.96,29.06 215.02,29.06 215.28,28.8 ; 214.96,29.06 214.96,29.08 215.29,29.4 ; 214.96,29.06 215.22,29.06 215.25,29.03 215.29,29.03 215.29,29.19 ; 214.96,29.06 rY1.1 ; 215.29,29.4 215.29,31.99 213.82,33.45 rU1.20 ; 215.29,29.4 215.29,29.19 ; 215.28,28.8 215.28,29.18 215.29,29.19
Net-(rU1-XOUT): length 2.1
  Bottom w0.203: rU1.21 213.42,32.96
Net-(U1-RUN): length 20.4
  Top w0.203: v1(49.54,38.23) 50.05,37.72 52.92,37.72 53.48,37.15 59.15,37.15 60.18,38.18 60.18,39.82 60.62,40.27 v1(61.58,40.27)
  Bottom w0.203: U1.26 62.21,35.63 61.3,36.54 61.3,36.93 61.29,36.94 61.3,36.95 61.3,39.98 v1(61.58,40.27)
Net-(U1-USB_DM): length 3.1
  Bottom w0.203: U1.46 62.61,42.84 61.92,43.52 61.3,43.52 60.82,44
Net-(U1-USB_DP): length 2.6
  Bottom w0.203: 61.9,44.1 62.09,43.91 62.09,43.91 63.01,42.99 U1.47
Net-(U1-XIN): length 11.6
  Bottom w0.203: 67.08,29.01 67.08,31.86 66.03,32.91 64.72,32.91 64.39,33.24 64.39,33.89 64.6,34.1 64.6,34.3 64.61,34.3 U1.20 ; 67.08,29.01 65.84,29.01 ; 67.08,29.01 67.08,27.49 C1.1
Net-(U1-XOUT): length 2.8
  Bottom w0.203: R3.2 63.99,34.04 64.21,34.26 U1.21

## Copper pours and planes (outline as drawn; the poured copper is in the pictures)
GND on Top: 136.45,101.96 -3.98,101.78 -3.79,5.26 136.26,5.45
GND on Bottom: 58.98,34.83 58.94,25.24 68.04,25.19 68.06,34.8
GNDR on Top: 140.78,101.96 281.21,101.78 281.02,5.26 140.97,5.45
GNDR on Bottom: 219.8,34.8 219.83,25.2 207.93,25.18 207.92,34.8

Small or netless copper shapes (teardrops, artwork), in the pictures only: 336 on Top, 585 on Bottom

## Text on the board
B.Fab: Edge of body
B.Silkscreen: SWD | GND | SWCLK | Jumper for LED | BOOT | RESET
F.Silkscreen: v4.1.0
